# Altium PCB MINIBLDC.PcbDoc (continued)
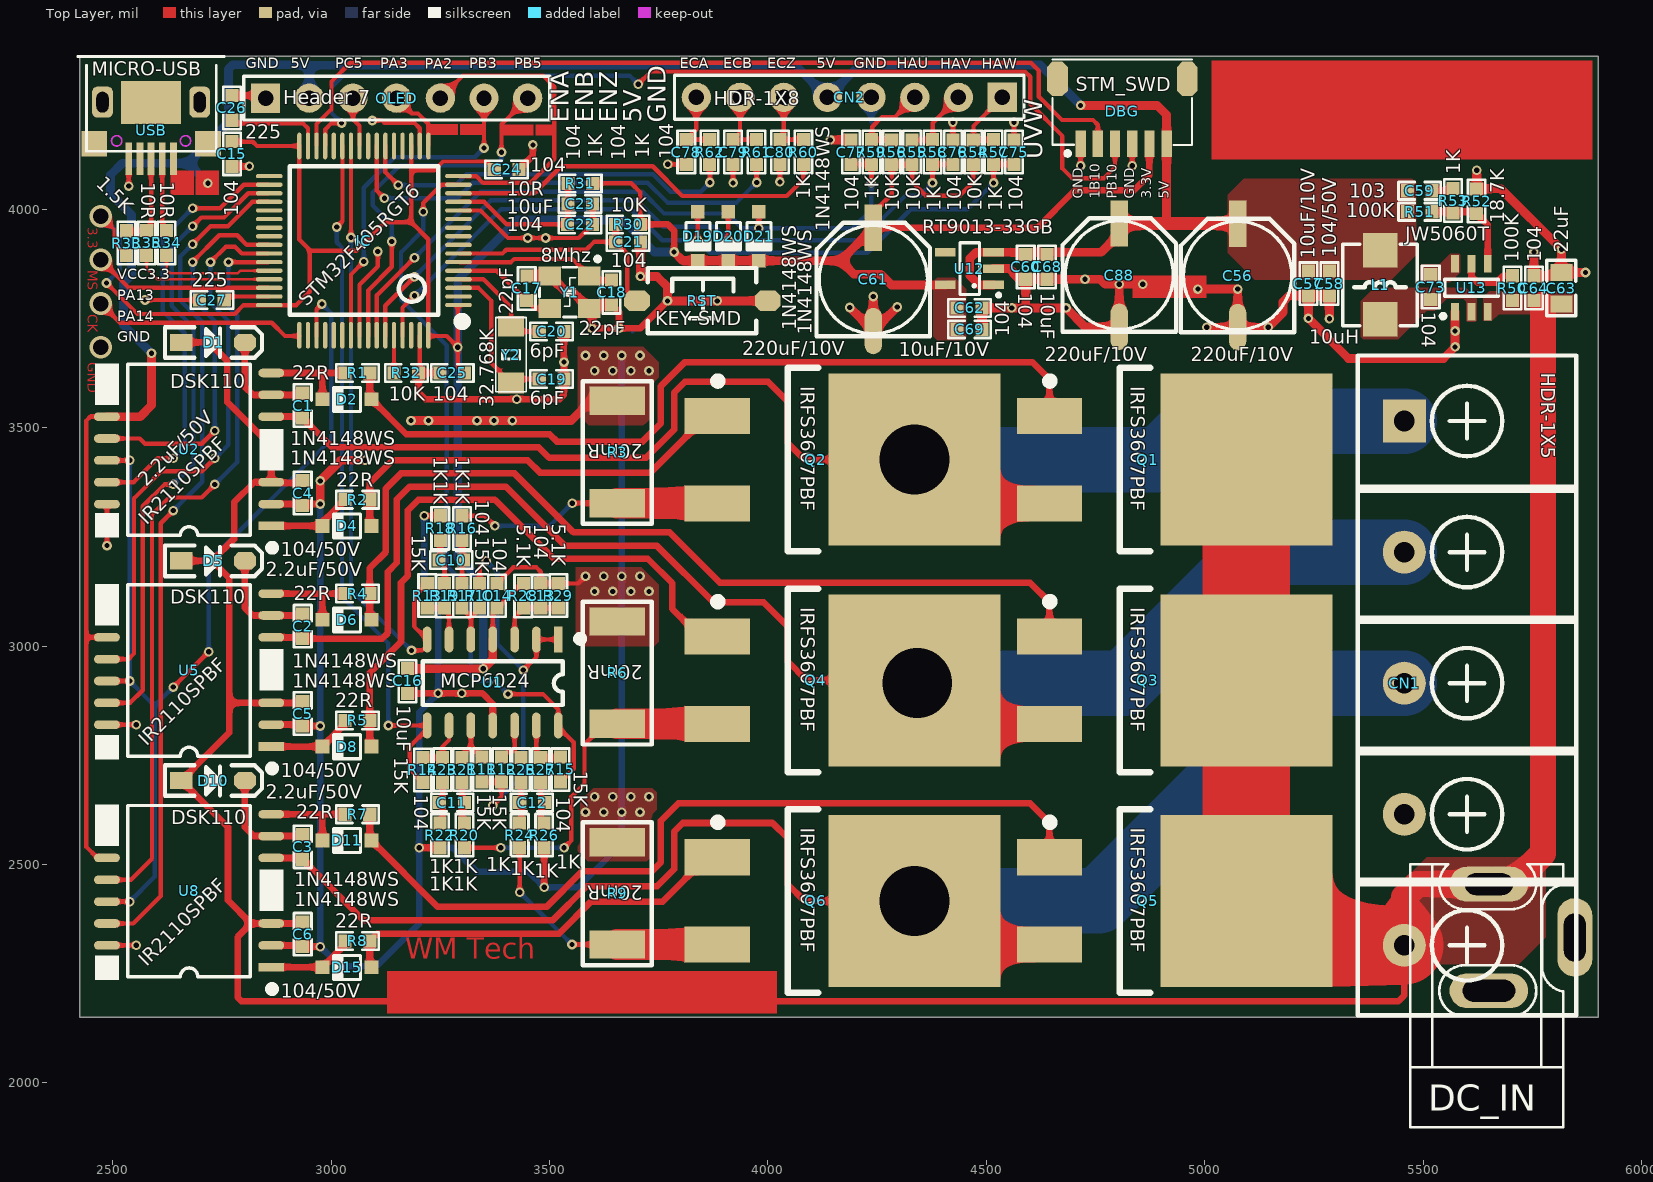
[diagram p0: Top Layer view]
## Nets (pads, with @x,y where several pads share a name; then routed paths per layer and width w, separated by ;. In a path a pad name is that pad's centre, name@x,y a point inside that pad or via, vN(x,y) a via of type N, cw(c..) or ccw(c..) an arc to the next point about the centre after c; other vN are vias at no path point)
BOOT0: IC.60 R32.1 | length 84.5
  Top Layer w10: IC.60@3143.9,3709.5 3143.9,3625.1 R32.1
CURRENT_U: Q2.3 R3.2 R16.1 | length 615.5
  Top Layer w10: R16.1 3351.75,3298.25 v1(3375,3275) ; v1(3551.89,3326.89) R3.2
  Top Layer w70: R3.2 3883.9,3326.89 Q2.3
  Bottom Layer w10: v1(3375,3275) 3500,3275 v1(3551.89,3326.89)
CURRENT_V: Q4.3 R6.2 R20.1 | length 808.2
  Top Layer w10: R20.1 v1(3388.32,2538.32) ; v1(3533.32,2538.32) 3550,2555 3550,2655 3580,2685 3580,2775 3626.89,2821.89 R6.2
  Top Layer w70: R6.2 3883.9,2821.89 Q4.3
  Bottom Layer w10: v1(3388.32,2538.32) v1(3533.32,2538.32)
CURRENT_W: Q6.3 R9.2 R24.1 | length 603.9
  Top Layer w10: v1(3431.69,2436.69) R24.1 ; v1(3551.48,2316.89) R9.2
  Top Layer w70: R9.2 3883.9,2316.89 Q6.3
  Bottom Layer w10: v1(3431.69,2436.69) v1(3551.48,2316.89)
DGND: C15.1 C17.1 C18.1 C19.1 C20.1 C21.1 C22.1 C23.1 C24.1 C25.1 C26.1 C27.1 C60.2 C61.2 C62.2 C68.2 C69.2 C75.2 C76.2 C77.2 C78.2 C79.2 C80.2 C88.2 CN2.4 DBG.1 DBG.4 IC.12 IC.18 IC.63 OLED.1 R32.2 RST.2 U2.15 U5.15 U8.15 U12.2 USB.5 Y1.2 Y1.4 | length 4375.9
  Top Layer w10: U8.15 v1(2554,2315) ; U5.15 v1(2554,2820) ; v1(2487.01,3230) U2.15 ; v1(2536.82,4052.82) USB.5 ; v1(2574,3792) C27.1 ; v1(3094,4203) 3116.75,4203 3121.75,4198 3190,4198 3202.95,4185.05 IC.18@3202.95,4146.5 ; R32.2 3202.95,3627.39 IC.63@3202.95,3709.5 ; IC.12@3294.5,3996.9 3342.1,3996.9 3405,3934 v1(3450,3934) v1(3491,3934) 3567,3934 C22.1 3598.5,3965.5 C23.1 ; v1(3770.5,4102.5) C78.2 ; v1(3920.1,4060) C79.2 ; v1(4027.26,4062.26) C80.2 ; C76.2 v1(4423.19,4198.81) ; C75.2 v1(4563.06,4199) ; v1(4715.52,4099.48) DBG.1 ; v1(4833.63,4099.48) DBG.4 ; C20.1@3535,3727 3539,3727 C20.1@3535,3727
  Top Layer w15: C15.1 v1(2813,4098) ; C26.1 2844,4260 OLED.1 ; R32.2@3200.5,3616.5 3200.5,3580.5 3216,3565 v1(3425,3565) 3523,3565 3533,3575 C19.1 v1(3533,3650) C20.1 ; R32.2 3248.94,3624.94 C25.1 ; C24.1 3462,4123 v1(3462,4147) ; Y1.4 3597,3766.87 v1(3597,3727) v1(3659,3727) ; C18.1 3659,3764 v1(3659,3727) ; v1(3770,3790) 3707,3727 v1(3659,3727)
  Top Layer w20: C17.1 3500.32,3847 Y1.2 3538.13,3810 v1(3546,3810) 3553.87,3810 Y1.4 3599.68,3781 C18.1 ; C21.1 v1(3708,3846) 3746,3846 3770,3822 v1(3770,3790) v1(3884,3790) RST.2 ; v1(4142.5,4158.5) C77.2 ; v1(4187,3774.89) C61.2 ; v1(4241,3800) C61.2 ; v1(4296.11,3776) C61.2 ; C69.2 C62.2 v1(4558,3773.94) 4591,3773.94 ; U12.2 4552,3864 4576.5,3839.5 C60.2 ; v1(4858,3828) v1(4804,3828) ; C60.2 C68.2 v1(4725.5,3839.5) 4760.5,3839.5 4772,3828 v1(4804,3828) ; C60.2 4589.94,3775 4591,3773.94 ; 4591,3773.94 v1(4682.06,3773.94) 4725.11,3730.89 C88.2 v1(4804,3828)
  Bottom Layer w10: v1(3597,3727) v1(3659,3727) ; 3690,3720 3691,3721 ; CN2.4 4236,4199.81 4237,4198.81 ; v1(4423.19,4198.81) v1@4423.38,4199
  other v2: 2473,3684
ENCA: IC.22 R62.2 | length 894.2
  Top Layer w10: IC.22@3124.21,4146.5 3124.21,4084.79 v1(3154,4055) ; R62.2 3867,4102.02 v1(3867,4061)
  Bottom Layer w10: v1(3154,4055) 3285,4055 3310,4080 3737,4080 3777,4040 3846,4040 v1(3867,4061)
ENCB: IC.23 R61.2 | length 1074.6
  Top Layer w10: IC.23@3104.53,4146.5 3104.53,4042.47 v1(3122,4025) ; R61.2 3974,4102.18 v1(3974,4061)
  Bottom Layer w10: v1(3122,4025) 3289,4025 3324,4060 3725,4060 3770,4015 3928,4015 v1(3974,4061)
ENCZ: IC.14 R60.2 | length 890.4
  Top Layer w10: IC.14@3294.5,4036.27 3465.27,4036.27 3527,4098 3736,4098 3804,4030 4043,4030 4080.84,4067.84 R60.2
GND: C4.1 C5.1 C6.1 C13.2 C14.1 C16.1 C56.2 C57.2 C58.2 C63.2 C64.2 CN1.4 DC_IN.2 DC_IN.3 R3.1 R6.1 R9.1 R18.1 R22.1 R26.1 R29.2 R52.2 U1.11 U2.2 U5.2 U8.2 U13.1 | length 7216.1
  Top Layer w10: v1(3213.25,3298.25) R18.1 ; C14.1 3416.75,3180 3470,3180 3480,3170 C13.2 R29.2 3565.51,3143.25 v1(3582.26,3160)
  Top Layer w15: U8.2 2932,2315 C6.1 v1(2975,2312) ; U5.2 2932,2820 C5.1 v1(2975,2817) ; U2.2 C4.1@2932,3325 ; C4.1 C4.1@2932,3325 ; v1(2975,3325) C4.1@2932,3325 ; C16.1 v1(3245,2891.75) 3346.25,2891.75 3370,2868 U1.11 ; v1(3201.68,2538.32) R22.1 ; v1(3487.69,2447.69) R26.1
  Top Layer w20: v1(2975,3325) v1(2975,3378) 3022,3425 v1(3078,3425) ; v1(3183,3516) v1(3223,3516) v1(3334,3516) v1(3373,3516) v1(3415,3516) 3549,3516 3594.14,3561.14 R3.1 ; v1(4984,3817) v1(5075,3817) C56.2 ; v1(5004.11,3729.89) C56.2 ; v1(5284.94,3748.94) C58.2 C57.2 ; U13.1 v1(5572.6,3721) v1(5572.6,3684.6) 5546,3658 5328.87,3658 v1(5236.94,3749.94) C57.2 ; v1(5622.06,4089.06) R52.2 5677.5,4046.5 v1(5816,3908) C63.2 ; v1(5753.06,3901.94) C64.2 5808.5,3847.5 C63.2 ; v1(5871,3855) C63.2 ; C56.2 v1(5144.89,3729.89) 5179,3764 5179,3788 5192.5,3801.5 C57.2
  Bottom Layer w10: v1@3210,3295 v1(3213.25,3298.25)
  Bottom Layer w15: v1(2975,3325) v1(2975,2817) v1(2975,2312) 3020,2267 3104,2267 3201.68,2364.68 v1(3201.68,2538.32) ; v1(3213.25,3298.25) 3213.25,3140.75 3245,3109 v1(3245,2891.75) 3201.68,2848.43 v1(3201.68,2538.32) ; v1(3665.39,3665) v1(3665.39,3160) v1(3665.39,2620) 3665.39,2547.39 3565.69,2447.69 v1(3487.69,2447.69) 3452.37,2483 3334,2483 3278.68,2538.32 v1(3201.68,2538.32)
  other v1: 3582.26,2620 3623.83,2620 3706.96,2620 3603.04,2655 3644.61,2655 3686.17,2655 3727.74,2655 3299,2891.75 3603.04,3125 3644.61,3125 3686.17,3125 3727.74,3125 3623.83,3160 3706.96,3160 3603.04,3630 3644.61,3630 3686.17,3630 3727.74,3630 3582.26,3665 3623.83,3665 3706.96,3665
HALLU: C77.1 D21.1 IC.58 R59.2 | length 1564.7
  Top Layer w10: IC.58@3104.53,3709.5 3104.53,3802.53 v1(3191,3889) ; v1(3979,3956) D21.1 ; C77.1 4190.5,4102.5 R59.2 v1(4236.69,4060)
  Bottom Layer w10: v1(3191,3889) 3342,4040 3712,4040 3762,3990 3907,3990 3941,3956 v1(3979,3956) 4194,3956 4236.69,3998.69 v1(4236.69,4060)
HALLV: C76.1 D20.1 IC.59 R58.2 | length 1667.7
  Top Layer w10: IC.59@3124.21,3709.5 3124.21,3778.71 v1(3191,3845.5) ; v1(3909,3929) D20.1 ; v1(4376.56,4060) R58.2 4422.62,4102.5 C76.1
  Bottom Layer w10: v1(3191,3845.5) 3365.5,4020 3700,4020 3760,3960 3878,3960 v1(3909,3929) 4213,3929 4315,4031 4347.56,4031 v1(4376.56,4060)
HALLW: C75.1 D19.1 IC.61 R57.2 | length 1773.3
  Top Layer w10: IC.61@3163.58,3709.5 3163.58,3774.58 v1(3191,3802) ; v1(3839,3929) D19.1 ; v1(4516.44,4060) R57.2 4562.5,4102.5 C75.1
  Bottom Layer w10: v1(3191,3802) 3389,4000 3687,4000 3758,3929 v1(3839,3929) 3868,3900 4227,3900 4327,4000 4456.44,4000 v1(4516.44,4060)
INA+: C13.1 R28.2 R29.1 U1.3 | length 174.2
  Top Layer w10: U1.3 3420,3066.75 R28.2 C13.1 ; C13.1@3470,3076.75 C13.1 ; R29.1 C13.1
INA-: R10.2 R11.2 R12.2 U1.1 U1.2 | length 922.2
  Top Layer w10: R10.2 3340,3180 v1(3355,3195) ; R11.2 R12.2 ; v1(3370,2635) 3390.05,2655.05 R12.2 ; v1(3440,2945) 3470,2975 U1.2 U1.1
  Bottom Layer w10: v1(3355,3195) 3380,3170 3380,3005 v1(3440,2945) 3440,2705 v1(3370,2635)
INB+: R10.1 R17.2 U1.5 | length 108.3
  Top Layer w10: R17.2 3320,3066.75 ; U1.5 3320,3066.75 ; R10.1 3320,3066.75
INB-: R13.1 R19.2 U1.6 | length 115.9
  Top Layer w10: R13.1 R19.2 3270,3076.75 U1.6
INC+: R11.1 R21.2 U1.10 | length 117.1
  Top Layer w10: R21.2 3299.96,2750.86 3320,2770.9 ; U1.10 3320,2770.9 ; R11.1 3320,2770.9
INC-: R14.1 R23.2 U1.9 | length 124.5
  Top Layer w10: R14.1 R23.2 3254.98,2769.98 3270,2785 U1.9
IND+: R12.1 R25.2 U1.12 | length 115.2
  Top Layer w10: R12.1 3403.96,2759.73 R25.2@3420,2759.73 ; U1.12 R25.2@3420,2759.73 ; R25.2 R25.2@3420,2759.73
IND-: R15.1 R27.2 U1.13 | length 122.9
  Top Layer w10: U1.13 3470,2754.72 R27.2 3524,2744.82 R15.1
MOTOR_U: C1.1 CN1.1 Q1.3 Q2.2 U2.6 | length 3270.9
  Top Layer w15: U2.6 2932,3525 C1.1 3002,3455 3475,3455 3499,3431 3721,3431 3785,3495 3785,3580 3810,3605 4000,3605 4045,3560 4045,3465 4083.43,3426.57 v3(4335,3426.57)
  Top Layer w80: v3(4335,3426.57) 4435,3326.57 Q1.3
  Bottom Layer w150: v3(4335,3426.57) 4896.57,3426.57 4985,3515 CN1.1
MOTOR_V: C2.1 CN1.2 Q3.3 Q4.2 U5.6 | length 3604.5
  Top Layer w15: U5.6 2932,3020 C2.1 3117,3017 3130,3030 3130,3170 3150.5,3190.5 3150.5,3335.5 3180,3365 3400,3365 3535,3230 3745,3230 3875,3100 3990,3100 4045,3045 4045,2965 4088.43,2921.57 Q4.2
  Top Layer w80: Q4.2 v3(4341.57,2915) 4435,2821.57 Q3.3
  Bottom Layer w150: v3(4341.57,2915) 4815,2915 5115,3215 CN1.2
MOTOR_W: C3.1 CN1.3 Q5.3 Q6.2 U8.6 | length 3487.8
  Top Layer w15: U8.6 2932,2515 C3.1 3075,2372 3507,2372 3585,2450 3746,2450 3785,2489 3785,2575 3805,2595 4010,2595 4045,2560 4045,2455 4083.43,2416.57 v3(4335,2416.57)
  Top Layer w80: v3(4335,2416.57) 4435,2316.57 Q5.3
  Bottom Layer w150: v3(4335,2416.57) 4756.57,2416.57 5255,2915 CN1.3
NetC1_2: C1.2 D1.2 U2.7 | length 253
  Top Layer w15: D1.2@2802.83,3705 D1.2 2802.83,3593.17 2821,3575 U2.7 2931.56,3575 C1.2
NetC2_2: C2.2 D5.2 U5.7 | length 248.6
  Top Layer w15: D5.2 2802.83,3087.17 2820,3070 U5.7 2931.56,3070 C2.2
NetC3_2: C3.2 D10.2 U8.7 | length 248.9
  Top Layer w15: D10.2 2802.83,2585.17 2823,2565 U8.7 2931.56,2565 C3.2
NetC10_1: C10.1 R16.2 R17.1 | length 103.1
  Top Layer w10: R17.1 C10.1@3300,3193.32 ; R16.2 C10.1@3300,3193.32 ; C10.1 C10.1@3300,3193.32
NetC10_2: C10.2 R18.2 R19.1 | length 105.3
  Top Layer w10: R18.2 3250,3199.82 C10.2 3260,3183.32 R19.1
NetC11_1: C11.1 R20.2 R21.1 | length 95.6
  Top Layer w10: R21.1 3299.96,2599.8 R20.2
NetC11_2: C11.2 R22.2 R23.1 | length 96
  Top Layer w10: R22.2 3254.98,2600.87 R23.1
NetC12_1: C12.1 R24.2 R25.1 | length 94.8
  Top Layer w10: R24.2 3434.91,2598.05 R25.1
NetC12_2: C12.2 R26.2 R27.1 | length 96.7
  Top Layer w10: R27.1 3479.89,2602.62 R26.2
NetC59_1: C59.1 R53.2 | length 50.3
  Top Layer w15: C59.1 5562.56,4042 R53.2
NetC73_1: C73.1 U13.6
NetC73_2: C73.2 L1.1 U13.2
NetC78_1: C78.1 CN2.8 R62.1 | length 160.1
  Top Layer w10: CN2.8 3836,4182 C78.1 R62.1
NetC79_1: C79.1 CN2.7 R61.1 | length 157.1
  Top Layer w10: CN2.7 3936,4174.84 C79.1 R61.1
NetC80_1: C80.1 CN2.6 R60.1 | length 154.2
  Top Layer w10: CN2.6 4036,4167.68 C80.1 R60.1
NetCN2_1: CN2.1 R54.2 R57.1 | length 171.6
  Top Layer w10: R54.2 R54.2@4470.31,4159 ; R54.2@4470.31,4158.5 R54.2@4470.31,4159 ; R57.1 R54.2@4470.31,4159 ; CN2.1 4470.31,4190.31 R54.2@4470.31,4159
NetCN2_2: CN2.2 R55.2 R58.1 | length 168.8
  Top Layer w10: R55.2 4376.13,4158.5 R58.1 ; R58.1@4377.13,4158.5 4377.13,4197.13 CN2.2
NetCN2_3: CN2.3 R56.2 R59.1 | length 201.7
  Top Layer w10: R59.1 R59.1@4238.5,4159 ; R56.2 4282.81,4159 R59.1@4238.5,4159 ; CN2.3 4291,4211 4261,4211 4238.5,4188.5 R59.1@4238.5,4159
NetD2_1: D2.1 Q1.1 R1.2 | length 1879.3
  Top Layer w15: R1.2 3088.5,3568.75 D2.1 3172.25,3485 3500,3485 3517,3468 3713,3468 3755,3510 3755,3595 3810,3650 4605,3650 4644.21,3610.79 Q1.1
NetD2_2: D2.2 R1.1 U2.8 | length 229.1
  Top Layer w15: U2.8 2980,3625 ; D2.2 2980.25,3624.75 2980,3625 ; R1.1 2980,3625
NetD4_1: D4.1 Q2.1 R2.2 | length 982.4
  Top Layer w15: D4.1 3088.5,3278.75 R2.2 3088.5,3373.5 3140,3425 3450,3425 3478,3397 3731,3397 3860.57,3526.57 Q2.1
NetD4_2: D4.2 R2.1 U2.1 | length 198.7
  Top Layer w15: U2.1 D4.2 2980.25,3283.25 R2.1
NetD6_1: D6.1 Q3.1 R4.2 | length 2051.5
  Top Layer w15: D6.1 3088.5,3063.75 R4.2 3088.5,3178.5 3125.5,3215.5 3125.5,3360.5 3160,3395 3420,3395 3555,3260 3775,3260 3890,3145 4600,3145 4644.21,3100.79 Q3.1
NetD6_2: D6.2 R4.1 U5.8 | length 231.2
  Top Layer w15: U5.8 2975,3120 ; D6.2 2980.25,3114.75 2975,3120 ; R4.1 2975,3120
NetD8_1: D8.1 Q4.1 R5.2 | length 1461.3
  Top Layer w15: D8.1 3088.5,2773.75 R5.2 3088.5,2938.5 3160,3010 3160,3145 3175.5,3160.5 3175.5,3310.5 3200,3335 3375,3335 3510,3200 3725,3200 3781,3144 3781,3085 3844.43,3021.57 Q4.1
NetD8_2: D8.2 R5.1 U5.1 | length 198.7
  Top Layer w15: U5.1 D8.2 3032,2821.75 R5.1
NetD11_1: D11.1 Q5.1 R7.2 | length 1927.8
  Top Layer w15: R7.2 3088.5,2558.75 D11.1 3244.25,2403 3493,2403 3575,2485 3735,2485 3755,2505 3755,2600 3795,2640 4600,2640 4644.21,2595.79 Q5.1
NetD11_2: D11.2 R7.1 U8.8 | length 229.1
  Top Layer w15: U8.8 2980,2615 ; D11.2 2980.25,2614.75 2980,2615 ; R7.1 2980,2615
NetD15_1: D15.1 Q6.1 R8.2 | length 936.6
  Top Layer w15: D15.1 3088.5,2268.75 R8.2 3105.56,2342 3522,2342 3595,2415 3759,2415 3860.57,2516.57 Q6.1
NetD15_2: D15.2 R8.1 U8.1 | length 198.7
  Top Layer w15: U8.1 D15.2 3032,2316.75 R8.1
NetR33_2: R33.2 R35.1 USB.3 | length 214.8
  Top Layer w10: R33.2 2577.5,3950.5 R35.1 2588,3961 USB.3
NetR34_1: R34.1 USB.2 | length 168.6
  Top Layer w10: USB.2 2613.59,3961 R34.1
NetR50_2: R50.2 U13.5 | length 135.3
  Top Layer w15: U13.5 5610,3846 5624,3832 5667,3832 5682.5,3847.5 R50.2
NetR51_1: R51.1 R52.1 R53.1 U13.4 | length 229.2
  Top Layer w15: R51.1 5618,3994 R52.1 5647.4,3964.6 U13.4
OUTB: IC.26 R13.2 U1.7 | length 1421
  Top Layer w10: v1(3045.47,3935) IC.26@3045.47,4146.5 ; v1(3184,2990) 3208,2990 3220,3002 U1.7 3190,3045 3190,3113.25 R13.2
  Bottom Layer w10: v1(3045.47,3935) 3045.47,3128.53 v1(3184,2990)
OUTC: IC.27 R14.2 U1.8 | length 1630.4
  Top Layer w10: v1(3013,3959) 3026,3972 3026,4146.29 IC.27@3025.79,4146.5 ; v1(3131.15,2818.15) U1.8 3220,2810 3180,2770 3180,2718.32 R14.2
  Bottom Layer w10: v1(3013,3959) 3013,3924 3025,3912 3025,3112 3131.15,3005.85 v1(3131.15,2818.15)
OUTD: IC.15 R15.2 U1.14 | length 1694.2
  Top Layer w10: v1(3211,3994) 3211,4014 3252.95,4055.95 IC.15@3294.5,4055.95 ; v1(3405,2890) 3485,2890 3520,2855 U1.14 3520,2815 3555,2780 3555,2719.33 R15.2
  Bottom Layer w10: v1(3211,3994) 3211,3952 3160,3901 3160,3793 3265,3688 3265,3183 3320,3128 3320,2933 3333,2920 3375,2920 v1(3405,2890)
PA2: IC.16 OLED.5 | length 703.2
  Top Layer w10: OLED.5 3301,4305 3486,4305 3511,4280 3511,4115 3456,4060 3348,4060 3332.36,4075.64 IC.16@3294.5,4075.64
PA3: IC.17 OLED.4 | length 145.8
  Top Layer w10: OLED.4 3185,4219 3199,4219 3222.64,4195.36 IC.17@3222.64,4146.5
PA4: IC.20
PA5: IC.21
PA8: IC.41 U2.12 | length 879.2
  Top Layer w10: U2.12 2562,3475 2574,3463 2704,3463 v1(2734,3493) ; v1(2683,3878.79) 2744.21,3940 2785,3940 2806.84,3918.16 IC.41@2856.5,3918.16
  Bottom Layer w10: v1(2683,3878.79) 2683,3795 2734,3744 v1(2734,3493)
PA9: IC.42 U5.12 | length 1277.5
  Top Layer w10: U5.12 2536,2970 2549,2983 2549,3338 2611,3400 2704,3400 v1(2734,3430) ; v1(2724.11,3878.79) 2759.32,3914 2780,3914 2795.53,3898.47 IC.42@2856.5,3898.47
  Bottom Layer w10: v1(2724.11,3878.79) 2724.11,3784.89 2765,3744 2765,3461 v1(2734,3430)
PA10: IC.43 U8.12 | length 1712.8
  Top Layer w10: U8.12 2542,2465 2590,2513 2590,3301 2629,3340 2704,3340 v1(2734,3370) ; v1(2765.21,3878.79) IC.43@2856.5,3878.79
  Bottom Layer w10: v1(2734,3370) 2785,3421 2785,3756 2765.21,3775.79 v1(2765.21,3878.79)
PA11: IC.44 R34.2 | length 272
  Top Layer w6: R34.2 2623.53,3861.47 2632,3853 2786,3853 2792.1,3859.1 IC.44@2856.5,3859.1
PA12: IC.45 R35.2 | length 319.2
  Top Layer w6: R35.2 2577.94,3864.06 2602.58,3839.42 IC.45@2856.5,3839.42
PA13: IC.46 | length 410.1
  Top Layer w10: v2(2473,3884) 2537.27,3819.73 IC.46@2856.5,3819.73
PA14: IC.49 | length 485.2
  Top Layer w10: v2(2473,3784) 2517,3740 2864,3740 2894.5,3709.5 IC.49@2927.36,3709.5
PA15: IC.50
PB2: IC.28
PB3: IC.55 OLED.6 | length 778.4
  Top Layer w10: IC.55@3045.47,3709.5 3045.47,3850.47 v1(3075,3880) ; v1(3350,4140) OLED.6
  Bottom Layer w10: v1(3075,3880) 3075,4049 3145,4119 3329,4119 v1(3350,4140)
PB4: IC.56 | length 210.8
  Top Layer w10: IC.56@3065.16,3709.5 3065.16,3827.16 3107,3869 v1(3107,3903)
PB5: IC.57 OLED.7 | length 861.7
  Top Layer w10: IC.57@3084.84,3709.5 3084.84,3813.84 3139,3868 v1(3139,3926) ; v1(3390,4130) 3390,4194 OLED.7
  Bottom Layer w10: v1(3139,3926) 3139,3965 3095,4009 3095,4038 3157,4100 3378,4100 3390,4112 v1(3390,4130)
PB9: IC.62
PB10: DBG.3 IC.29 | length 2239.9
  Top Layer w10: IC.29@2986.42,4146.5 2986.42,4182.42 3001,4197 v1(3024,4197) ; v1(3703,4286) 3732,4315 4588,4315 4600,4303 4600,4241 4673.89,4167.11 4673.89,4093.11 4696,4071 4769,4071 4794.26,4096.26 DBG.3
  Bottom Layer w10: v1(3024,4197) 3001,4220 3001,4279 3027,4305 3684,4305 v1(3703,4286)
PB11: DBG.2 IC.30 | length 2068.4
  Top Layer w10: IC.30@2966.73,4146.5 2966.73,4194.73 3001,4229 3001,4292 3044,4335 4602,4335 4620,4317 4620,4257 4673,4204 4744,4204 4754.89,4193.11 DBG.2
PB12: IC.33
PB13: IC.34 U2.14 | length 1002.3
  Top Layer w10: U2.14 2548,3375 2603,3430 v1(2639,3430) ; v1(2683,4002) 2746,4002 2799.95,4055.95 IC.34@2856.5,4055.95
  Bottom Layer w10: v1(2639,3430) 2665,3456 2665,3716 2615,3766 2615,3934 v1(2683,4002)
PB14: IC.35 U5.14 | length 1461
  Top Layer w10: U5.14 2540,2870 2569,2899 2569,3320 2619,3370 v1(2639,3370) ; v1(2683,3960.93) 2703.07,3981 2755,3981 2810.27,4036.27 IC.35@2856.5,4036.27
  Bottom Layer w10: v1(2639,3370) 2685,3416 2685,3729 2635,3779 2635,3912.93 v1(2683,3960.93)
PB15: IC.36 U8.14 | length 1926.2
  Top Layer w10: U8.14 2547,2365 2610,2428 2610,3281 v1(2639,3310) ; v1(2683,3919.86) 2724.14,3961 2764,3961 2819.58,4016.58 IC.36@2856.5,4016.58
  Bottom Layer w10: v1(2639,3310) 2705,3376 2705,3741 2655,3791 2655,3891.86 v1(2683,3919.86)
PC0: IC.8
PC1: IC.9
PC2: IC.10
PC3: IC.11
PC4: IC.24
PC5: IC.25 OLED.3 | length 113.8
  Top Layer w10: OLED.3 3050,4206 3065.16,4190.84 IC.25@3065.16,4146.5
PC6: IC.37
PC7: IC.38
PC8: IC.39
PC9: IC.40
PC10: IC.51 U2.13 U5.13 U8.13 | length 2387.8
  Top Layer w10: U8.13 v1(2539,2415) ; U5.13 v1(2539,2920) ; U2.13 v1(2539,3425) ; v1(2639,2906) v1(2720,2987) ; IC.51@2966.73,3709.5 2966.73,3770.73 v1(2979,3783)
  Bottom Layer w10: v1(2539,2415) 2596,2472 2596,2863 ; v1(2539,3425) v1(2539,2920) 2596,2863 ; v1(2639,2906) 2596,2863 ; v1(2720,2987) 2720,3193 3000,3473 3000,3762 v1(2979,3783)
PC11: IC.52
PC12: IC.53
PC13: IC.2
PC14: C19.2 IC.3 Y2.1 | length 359.7
  Top Layer w10: IC.3@3294.5,3819.73 3337.27,3819.73 3367,3790 3367,3647.04 Y2.1 3421.02,3611.06 C19.2
PC15: C20.2 IC.4 Y2.2 | length 257.2
  Top Layer w10: IC.4@3294.5,3839.42 3348.58,3839.42 3412,3776 Y2.2 3423.9,3720.06 C20.2
PD0: C17.2 IC.5 Y1.3 | length 242.1
  Top Layer w10: IC.5@3294.5,3859.1 3379.33,3859.1 C17.2 3465.84,3772.6 Y1.3
PD1: C18.2 IC.6 Y1.1 | length 370.6
  Top Layer w10: IC.6@3294.5,3878.79 3411.79,3878.79 3419,3886 3552.68,3886 Y1.1 3601.18,3837.5 C18.2
PD2: IC.54
POWER: C4.2 C5.2 C6.2 C63.1 C64.1 CN1.5 D1.1 D5.1 D10.1 DC_IN.1 Q1.2 Q3.2 Q5.2 R50.1 U2.3 U5.3 U8.3 U13.3 | length 8217
  Top Layer w15: D5.1 2728,3195 ; D1.1@2657.17,3705 D1.1 2720,3695 2762.79,3652.21 2762.79,3558.21 2862.99,3458.01 U2.3 ; C6.2 2931.56,2365 U8.3 2817,2365 ; C5.2 2931.56,2870 U5.3 2767,2870 ; C4.2 2930.06,3373.5 2864.49,3373.5 U2.3 ; CN1.5 5456.3,2200.3 5443,2187 2795,2187 2786,2196 2786,2334 2817,2365 ; 2728,3195 2778,3245 2778,3329 2824,3375 U2.3 ; 2728,3195 2767,3156 2767,2870 ; 2767,2870 2767,2801.83 D10.1 2764,2585.17 2764,2418 2817,2365
  Top Layer w60: CN1.5 5456.3,2425.3 5486.09,2455.09 DC_IN.1 5704.09,2455.09 5774,2525 5774,3780
  Top Layer w150: Q5.2 Q5.2@5196.57,2315
  Top Layer w180: Q5.2@5196.57,2315 CN1.5
  Top Layer w200: Q5.2 Q3.2 Q1.2
RESET: C21.2 IC.7 R30.2 RST.1 | length 563.3
  Top Layer w10: IC.7@3294.5,3898.47 3392.47,3898.47 3401,3907 3584,3907 3602.06,3925.06 C21.2 ; R30.2 C21.2 ; RST.1 3678,3812.39 3678,3898.56 C21.2
VCAP1: C26.2 IC.31 | length 222.2
  Top Layer w10: C26.2 2780.44,4196 2936,4196 2947.05,4184.95 IC.31
VCAP2: C27.2 IC.47 | length 106.3
  Top Layer w10: C27.2 2763.62,3800.06 IC.47
VCC3.3: C14.2 C15.2 C16.2 C24.2 C25.2 C61.1 C62.1 C69.1 D19.2 D20.2 D21.2 DBG.5 IC.1 IC.19 IC.32 IC.48 IC.64 R28.1 R30.1 R31.1 R33.1 R54.1 R55.1 R56.1 U1.4 U12.5 | length 6666.6
  Top Layer w6: v2(2473,3984) 2503,3954 2503,3923 R33.1
  Top Layer w10: v1(2486,3831) 2557,3760 2779.28,3760 2799.64,3780.36 2920.36,3780.36 2951.27,3811.27 2951.27,3906.73 ; C15.2 2820.5,4154.5 2830.47,4144.53 IC.32 ; IC.32@2927.36,4146.5 IC.32 ; IC.19@3183.27,4146.5 3183.27,4089 ; IC.1@3290,3775.86 v1(3290,3684) ; C25.2 3290,3640.44 v1(3290,3684) ; U1.4 3370,3076.75 C14.2 3436.5,3143.25 R28.1 ; C24.2 3355.5,4109.06 3256.06,4109.06 3236,4089 3183.27,4089 ; R31.1 3687,4059 3708,4038 R30.1 ; C61.1 4241,3992 4283.25,4034.25 R56.1 R55.1 4329.87,4062.13 4361,4031 4439,4031 4469.75,4061.75 R54.1 ; IC.32 2927.36,3930.64 2951.27,3906.73 ; 2951.27,3906.73 2953,3905 3058,3905 3123.27,3970.27 3183.27,3970.27 ; 3183.27,3970.27 3183.27,4089 ; 3183.27,3970.27 3222.64,3930.9 3222.64,3709.5 3264.5,3709.5 v1(3290,3684)
  Top Layer w15: R30.1 3771,3965 3785,3951 v1(3785,3902) ; C61.1 4616.11,3957.11 4702,4043 4838,4043 4873,4078 DBG.5
  Top Layer w20: C16.2 v1(3348.25,2948.25) 3370,2970 U1.4 ; v1(3785,3902) 3805,3882 D19.2 D20.2 D21.2 4165.89,3882 ; C61.1 4165.89,3882 ; U12.5 4282.4,3826.6 4258,3851 4196.89,3851 4165.89,3882
  Bottom Layer w10: v2(2473,3984) 2517,3940 2517,3862 v1(2486,3831)
  Bottom Layer w20: v1(3348.25,2948.25) 3348.25,3144.75 3290,3203 v1(3290,3684) 3290,3839 3426,3975 3667,3975 3740,3902 v1(3785,3902)
VCC3.3A: C22.2 C23.2 IC.13 R31.2 | length 362.8
  Top Layer w10: IC.13@3294.5,4016.58 3350.42,4016.58 3401.94,3965.06 C22.2 3542.5,3966.06 R31.2
VCC5: C56.1 C57.1 C58.1 C59.2 C60.1 C68.1 C88.1 CN2.5 DBG.6 L1.2 OLED.2 R51.2 U2.11 U5.11 U8.11 U12.1 U12.3 | length 5711.2
  Top Layer w10: U8.11 2465,2515 2440,2540 2440,3020 ; U5.11 2440,3020 ; U2.11 2449,3525 2440,3516 2440,3020
  Top Layer w20: U2.11 2563,3525 2589,3551 v1(2589,3670) ; U12.1 4483.4,3826.6 4462,3848 4462,3887 4476.4,3901.4 U12.3 4762.4,3901.4 4804,3943 C88.1 C88.1@4804,3999 ; v1(4715.52,4237.48) 4890.52,4237.48 4912.37,4215.63 DBG.6 4912.37,3968.48 4911,3967.11
  Top Layer w30: C88.1 4911,3967.11 5074,3967.11 C56.1
  Bottom Layer w20: v1(2589,3670) 2525,3734 2525,3830 2543,3848 2543,3987 2495,4035 2495,4078 2522,4105 2672,4105 ; v1(2718,4059) 2672,4105 ; OLED.2 2950,4330.09 ; v1(4715.52,4237.48) 4623,4330 4210,4330 CN2.5 4062.88,4329.12 3972.88,4329.12 2950,4330.09 ; 2672,4105 2765,4198 2765,4320 2775.25,4330.25 2950,4330.09
VUSB: USB.1
pads on no net: DBG.A DBG.B U12.4 USB.4 USB.6 USB.7 USB.8 USB.9

## Polygon pours and split planes (outlines as drawn)
POWER on Top Layer "AutoNaming" (solid, remove dead copper, pour order 24): 5492.39,2272 5718,2272 5780,2334 5780,2384 5780,2491 5754,2517 5508,2517 5432,2441 5432,2336.6
GND on Top Layer "AutoNaming" (solid, remove dead copper, pour order 6): 3600,2675 3735,2675 3745,2665 3745,2625 3735,2615 3735,2560 3735,2520 3720,2505 3590,2505 3565,2530 3565,2580 3565,2640
GND on Top Layer "AutoNaming" (solid, remove dead copper, pour order 4): 3565,3685 3715,3685 3750,3650 3750,3620 3750,3610 3745,3605 3740,3600 3740,3570 3740,3530 3720,3510 3715,3505 3660,3505 3590,3505 3570,3525 3565,3530 3565,3620
GND on Top Layer "AutoNaming" (solid, remove dead copper, pour order 0): 3560,3180 3675,3180 3710,3180 3730,3160 3750,3140 3750,3105 3750,3010 3740,3000 3605,3000 3580,3000 3560,3020
VCC3.3 on Top Layer "AutoNaming" (solid, remove dead copper, pour order 14): 4387,3843 4428,3843 4454,3817 4454,3706 4448,3700 4387,3700 4378,3709 4378,3834
VCC5 on Top Layer "AutoNaming" (solid, remove dead copper, pour order 16): 5114,3838 5426,3838 5484,3896 5484,4061 5475,4070 5089,4070 5052,4033 5052,3900
NetC73_2 on Top Layer "AutoNaming" (solid, remove dead copper, pour order 18): 5508,3768 5526,3768 5553,3795 5591,3795 5598,3788 5598,3744 5600,3742 5619,3742 5622,3745 5622,3795 5597,3820 5568,3820 5388,3820 5357,3789 5357,3708 5363,3702 5442,3702
NetC73_1 on Top Layer "AutoNaming" (solid, remove dead copper, pour order 20): 5503,3833 5562,3833 5580,3851 5584,3855 5584,3878 5584,3896 5582,3898 5575,3898 5562,3898 5555,3891 5538,3874 5521,3874 5497,3874 5493,3870 5493,3864 5493,3837 5497,3833
POWER on Top Layer "AutoNaming" (solid, remove dead copper, pour order 22): 5651,3812 5837,3812 5845,3804 5845,3762 5842,3759 5672,3759 5657,3744 5638,3744 5637,3745 5637,3798
GND on Bottom Layer "AutoNaming" (solid, remove dead copper, pour order 12): 2745,2151 5899,2151 5899,4351 4955,4351 4955,3739 4926,3710 3825,3710 3801,3686 3564,3686 3564,3565 3535,3536 3090,3536 2761,3207 2745,3191
DGND on Bottom Layer "AutoNaming" (solid, remove dead copper, pour order 10): 2425,2150 2425,4350 3588,4350 3728,4350 3780,4350 3780,4215 4186,4215 4186,4270 4216,4300 4256,4300 4286,4270 4286,4215 4925,4215 4925,3765 4900,3740 3828,3740 3793,3705 3550,3705 3550,3575 3525,3550 3140,3550 3073,3550 2725,3202 2725,2150

## Other copper
Top Layer:
  rectangle net POWER: 3128,2159 4021,2256
  rectangle net VCC5: 2690,4032 2743,4088
  rectangle net VUSB: 2633,4032 2686,4088
  rectangle net PB5: 3390,4169 3463,4194
  rectangle net PA2: 3468,4169 3511,4194
  rectangle net PA3: 3222.64,4170 3290,4195
  rectangle net PB3: 3295,4170 3350,4195
  rectangle: 4834,3797 5004,3848
  rectangle: 5015,4114 5887,4340
  text "3.3" at 2435,3958 h38 r270
  text "MS" at 2435,3860 h38 r270
  text "CK" at 2435,3759 h38 r270
  text "GND" at 2435,3650 h38 r270
  text "WM Tech" at 3170,2268 h82
Bottom Layer:
  pour cut-out: 2651.28,3471.93 2618.22,3438.87 2618.22,3300.5 2629.24,3289.48 2683.76,3289.48 2752,3357.72 2752,3404 2683.66,3472.34
  pour cut-out: 4220,2273 4842,2273 5351,2782 5489,2782 5574,2867 5574,3580 5524,3630 4225,3630 4156,3561 4156,2337
  pour cut-out: 2515,3730 2426,3730 2430,3745
  pour cut-out: 2890,4310 2890,4233 2915,4208 3067,4208 3082,4223 3111,4223 3125,4209 3482,4209 3505,4232 3505,4310

## Silkscreen, mask and mechanical layers (free items; w line width, h text height)
Top Overlay:
  rectangle: 2460,2236 2515,2292
  rectangle: 2460,2740 2515,2796
  rectangle: 2460,3248 2515,3304
  rectangle: 2836,2393 2891,2488
  rectangle: 2836,2898 2891,2993
  rectangle: 2836,3402 2891,3497
  rectangle: 2460,2542 2515,2637
  rectangle: 2460,3047 2515,3142
  rectangle: 2460,3552 2515,3647
  text "GND" at 2805,4314 h42
  text "5V" at 2907.33,4314 h42
  text "PC5" at 3009.67,4314 h42
  text "PA3" at 3112,4314 h42
  text "PB3" at 3316.67,4314 h42
  text "PB5" at 3419,4314 h42
  text "ECA" at 3798.09,4314 h42
  text "ECB" at 3897.39,4314 h42
  text "ECZ" at 3998.19,4314 h42
  text "5V" at 4111.87,4314 h42
  text "GND" at 4195.92,4314 h42
  text "HAU" at 4294.89,4314 h42
  text "PA2" at 3214.33,4313.5 h42
  text "HAV" at 4394.83,4313.5 h42
  text "HAW" at 4489.67,4313.5 h42
  text "ENA" at 3558,4198 h72 r90
  text "ENB" at 3613.28,4198 h72 r90
  text "ENZ" at 3668.57,4198 h72 r90
  text "5V" at 3723.85,4198 h72 r90
  text "GND" at 3780,4198 h72 r90
  text "UVW" at 4642,4114 h72 r90
  text "GND" at 4728,4024 h38 r90
  text "1B10" at 4767.18,4024 h38 r90
  text "PB10" at 4806.67,4024 h38 r90
  text "GND" at 4846.47,4024 h38 r90
  text "3.3V" at 4885.65,4024 h38 r90
  text "5V" at 4925,4024 h38 r90
  text "VCC3.3" at 2511,3831 h42
  text "PA13" at 2511,3783.67 h42
  text "PA14" at 2511,3735.83 h42
  text "GND" at 2511,3689 h42
Top Solder:
  rectangle: 2690,4032 2743,4088
  rectangle: 2655,4032 2686,4088
  rectangle: 3468,4169 3495,4194
  rectangle: 3437,4169 3463,4194
  rectangle: 3295,4170 3323,4195
  rectangle: 3262,4170 3290,4195
  text "Mini BLDC DRV" at 5045,4245 h120
  text "Lovelessing..." at 5046,4143 h72
  text "V1.2" at 5630,4134 h120
  text "BLDC/PMSM DRV" at 3136,2168 h115
Mechanical 1:
  the board outline again, w5

## Dimensions
2425,4350 to 2425,2150 on Mechanical 1
2425,2150 to 5900,2150 on Mechanical 1